# KiCad board panel.opm-inline.kicad_pcb (continued)
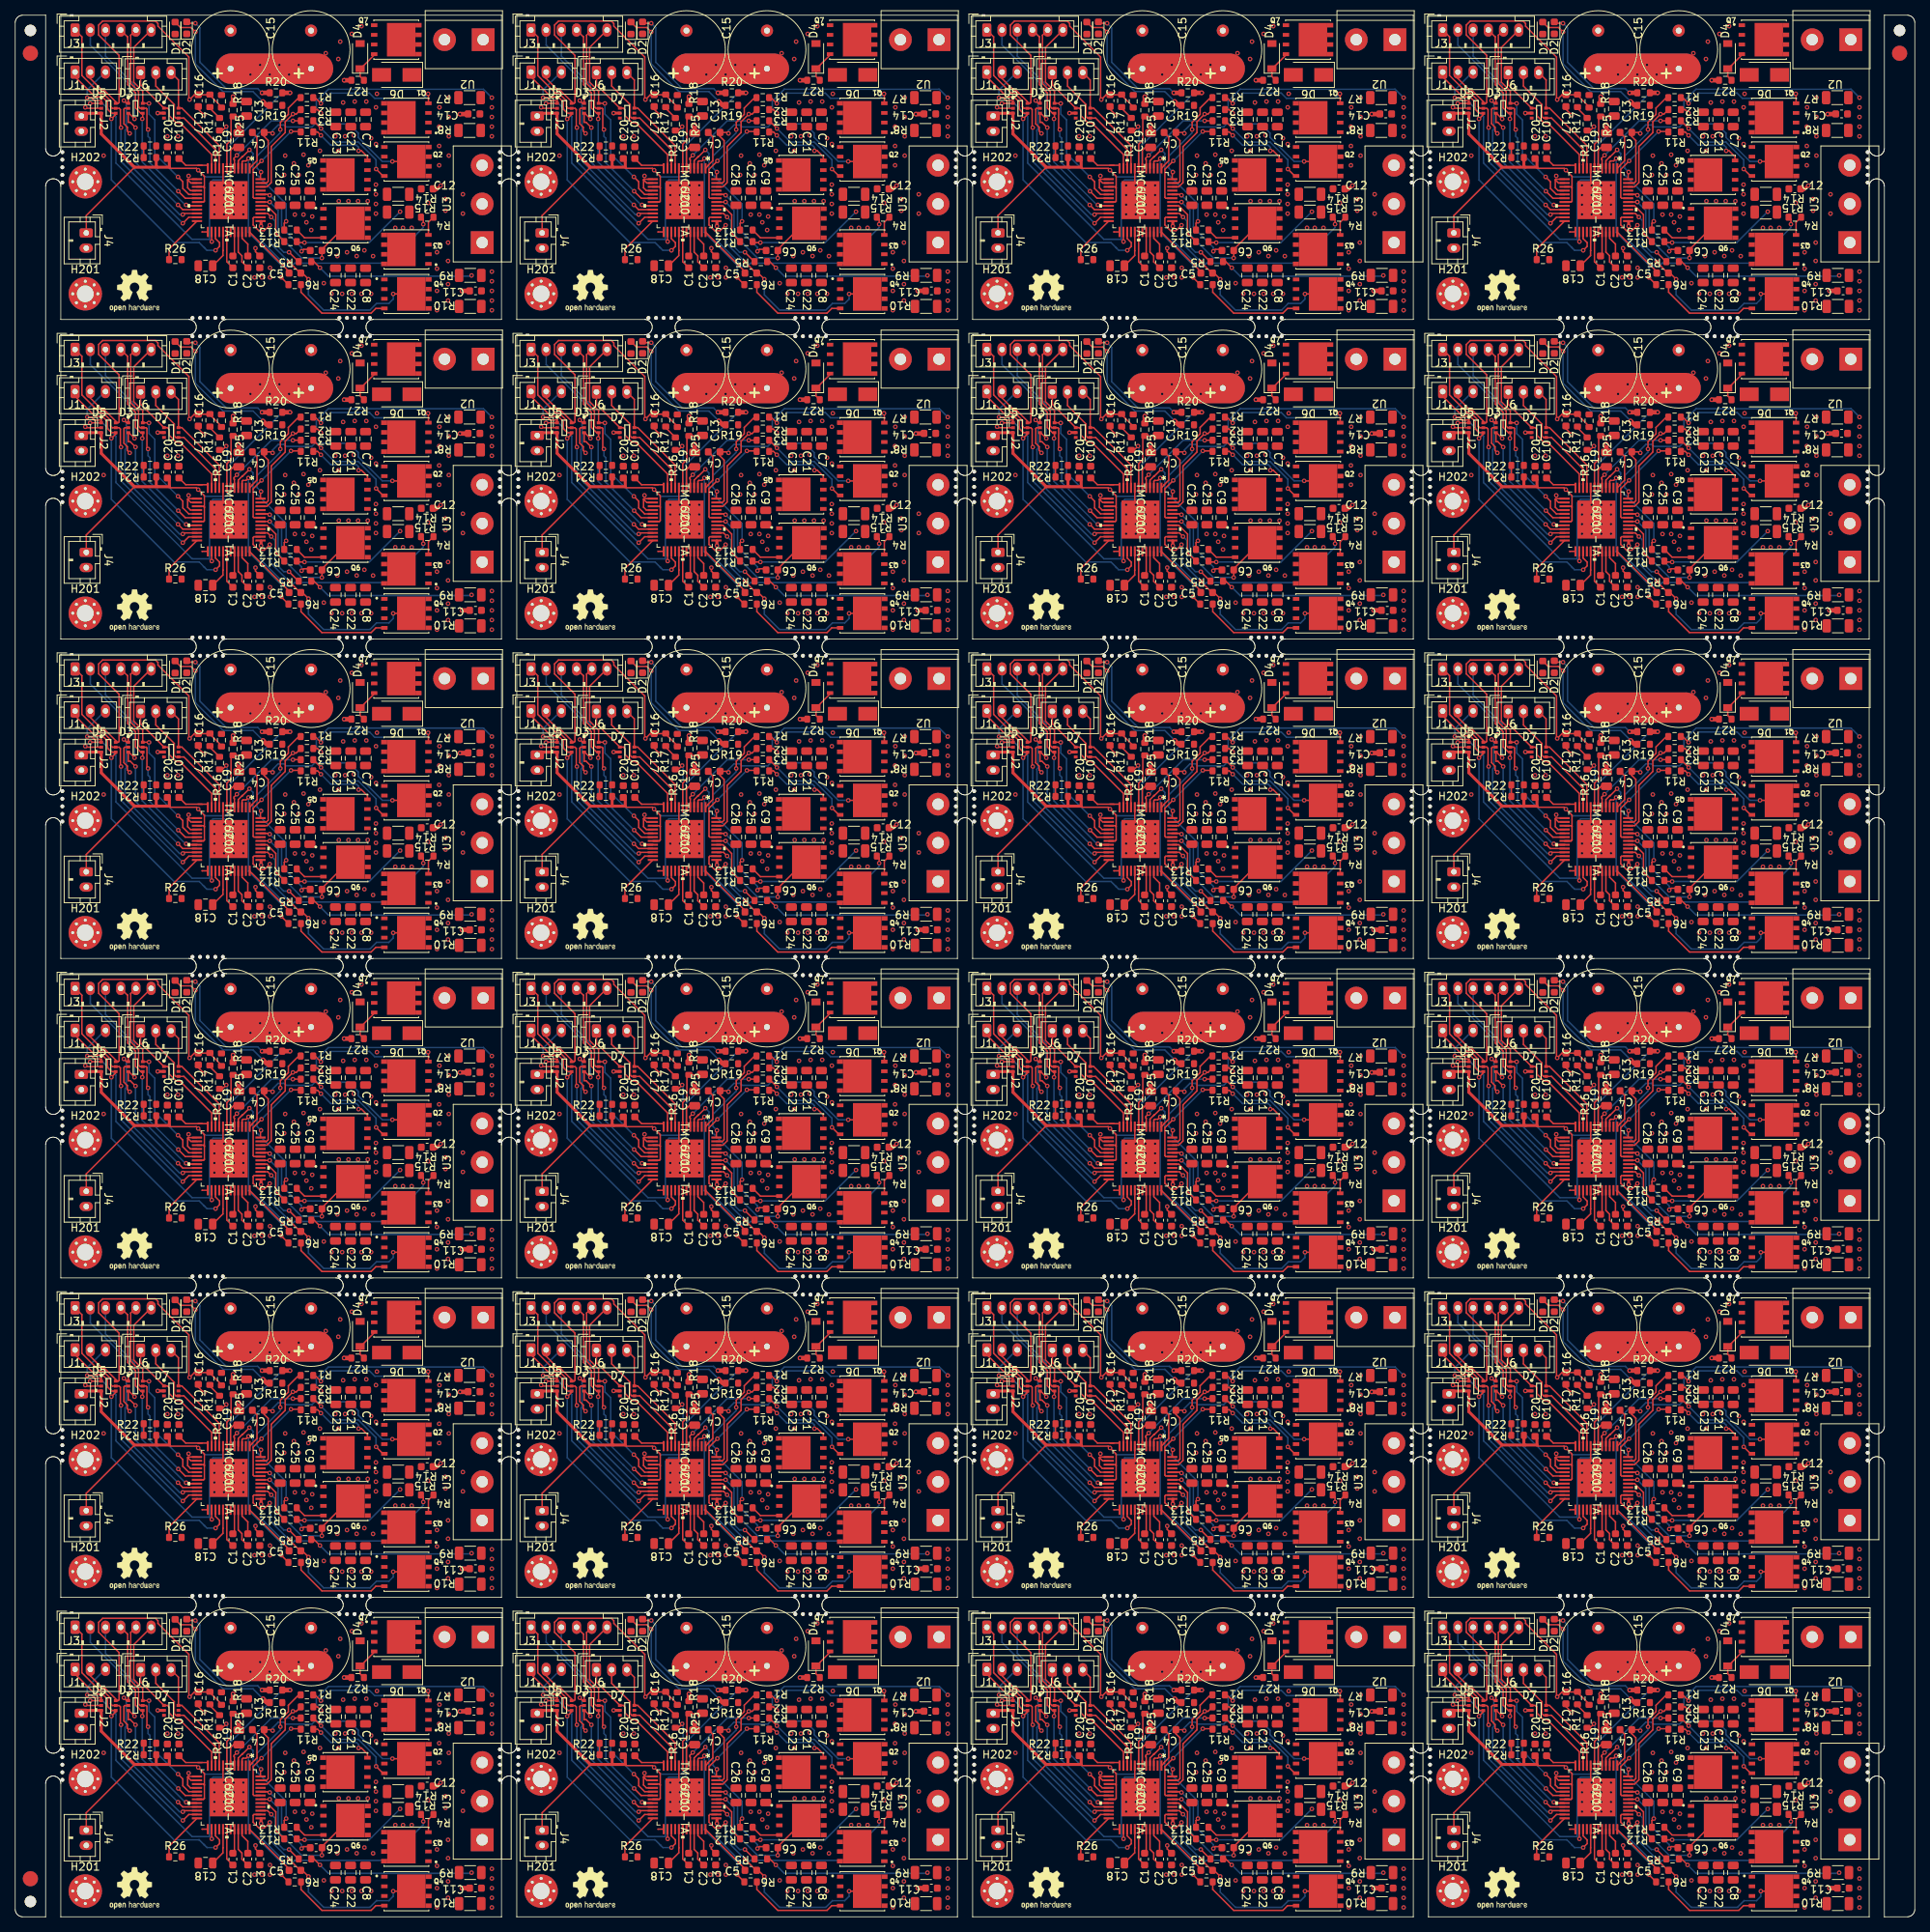
[diagram p0: board, top side]
## Routing (per net, layer and track width the routed paths; a pad name or vN(x,y) marks a point on that pad's centre or on a via; arc(x,y) is an arc through that point) (continued)
Board_15-Net-(C6-Pad2): length 12.4
  Top w0.2: v1(217.51,92.95) 217.77,93.21 218.64,93.21 ; v1(213.32,100.32) 213.22,100.43 IC1#9.44 212.96,100.43
  Bottom w0.2: v1(217.51,92.95) 217.51,93.46 214.88,96.09 214.88,98.76 v1(213.32,100.32)
Board_15-Net-(D1-Pad2): length 19.4
  Top w0.2: R19#10.1 212.94,112.13 ; D1.2 201.59,122.37 202.96,122.37 v1(203.54,121.78)
  Top w0.6: 212.94,112.13 v1(212.43,112.64)
  Bottom w0.2: v1(203.54,121.78) 203.54,117.59 207.19,113.94 211.13,113.94 v1(212.43,112.64)
Board_15-Net-(D2-Pad2): length 17.4
  Top w0.2: v1(203.54,122.92) 202.58,122.92 D2#3.2
  Top w0.6: R20#24.1 v1(212.31,113.78)
  Bottom w0.2: v1(203.54,122.92) 204.14,122.32 204.14,117.8 207.6,114.34 211.74,114.34 v1(212.31,113.78)
Board_15-Net-(D4-Pad1): length 4.4
  Top w0.2: 225.26,116.96 227.06,118.76 Q7#3.4 ; D4#16.1 225.21,115.93 R27#21.1
Board_15-Net-(IC1-Pad3): length 20.6
  Top w0.2: v1(210.53,105.14) 210.21,104.83 209.8,104.83 209.68,104.71 IC1#9.3 ; v1(214.85,89.52) 214.85,89.5 R6#22.2
  Bottom w0.2: v1(210.53,105.14) 210.53,95.44 214.85,91.12 v1(214.85,89.52)
Board_15-Net-(IC1-Pad4): length 16.7
  Top w0.2: 209.68,105.36 209.77,105.44 ; 209.68,105.36 209.18,104.86 IC1#9.4 209.18,104.67 ; 209.68,105.36 209.72,105.36 v1(210.66,106.29) ; v1(215.48,96.89) 215.23,96.64 R13#19.2
  Bottom w0.2: v1(215.48,96.89) 215.48,99.18 211.13,103.53 211.13,105.81 v1(210.66,106.29)
Board_15-Net-(IC1-Pad5): length 12.2
  Top w0.2: v1(209,105.57) 208.62,105.19 208.62,105.02 208.68,104.96 IC1#9.5 ; R3#6.2 216.38,110.11 v1(216.37,110.1)
  Bottom w0.2: v1(209,105.57) 213.53,110.1 v1(216.37,110.1)
Board_15-Net-(IC1-Pad24): length 6.6
  Top w0.2: R26#20.1 200.08,93.25 IC1#9.24
Board_15-Net-(IC1-Pad37): length 28.9
  Top w0.2: v1(233.52,96.51) 233.52,97.13 R4#3.2 ; 212.18,96.86 IC1#9.37
  Top w0.4: v1(212.18,96.25) 212.18,96.86
  Bottom w0.2: v1(233.52,96.51) 233.52,96.08 228.82,91.39 216.59,91.39 216.15,90.96 215.57,90.96 212.18,94.35 v1(212.18,96.25)
Board_15-Net-(IC1-Pad39): length 9.3
  Top w0.2: 217.13,91.79 216.9,91.79 v1(215.86,92.83) ; v1(213.52,97.45) 213.05,97.93 IC1#9.39
  Bottom w0.2: v1(213.52,97.45) 214.02,96.95 214.02,93.96 215.16,92.83 v1(215.86,92.83)
Board_15-Net-(IC1-Pad41): length 6.5
  Top w0.2: IC1#9.41 212.96,98.93 214.12,97.77 214.12,95.33 R12#16.2
Board_15-Net-(IC1-Pad43): length 13.1
  Top w0.2: IC1#9.43 211.26,99.93 211.14,100.05 211.14,103.72 v1(212.24,104.83) ; v1(216.12,108.7) 217.34,108.7 R11#4.2
  Bottom w0.2: v1(212.24,104.83) v1(216.12,108.7)
Board_15-Net-(IC1-Pad46): length 13.1
  Top w0.2: IC1#9.46 212.96,101.43 213.52,101.98 213.52,106.72 215.35,108.56 215.35,109.97 216.37,110.99 v1(216.37,110.99) 216.81,110.99 R2#11.2
Board_15-Net-(IC1-Pad48): length 13.8
  Top w0.2: R1#15.2 217.13,113.15 215.77,111.78 215.77,110.95 214.72,109.9 v1(214.72,108.95) ; v1(212.18,103.37) 212.11,103.3 IC1#9.48
  Bottom w0.2: v1(214.72,108.95) 214.72,108.53 211.64,105.45 211.64,103.9 v1(212.18,103.37) 212.18,103.62
Board_15-Net-(Q1-Pad4): length 17.8
  Top w0.2: Q1#11.4 234.19,113.61 v1(234.15,113.65) ; R1#15.1 219.29,113.15 v1(220.05,112.38)
  Bottom w0.2: v1(234.15,113.65) 233.55,113.05 227.13,113.05 226.44,113.75 221.42,113.75 v1(220.05,112.38)
Board_15-Net-(Q2-Pad4): length 13.2
  Top w0.2: v1(227.31,103.76) 228.22,102.85 Q2#16.4 ; 220.18,108.98 v1(220.06,109.09) R3#6.1
  Bottom w0.2: v1(227.31,103.76) 227.31,104.97 224.97,107.3 221.85,107.3 v1(220.06,109.09)
Board_15-Net-(Q3-Pad4): length 2.6
  Top w0.2: R4#3.1 234.19,96.77 Q3#24.4
Board_15-Net-(Q4-Pad4): length 13.5
  Top w0.2: Q4#12.4 227.27,85.44 226.66,84.82 220.18,84.82 217.43,87.57 R6#22.1 217.63,88.57
Board_15-Net-(Q5-Pad4): length 9.2
  Top w0.2: v1(220.05,108.19) 219.61,108.64 R11#4.1 ; Q5#9.4 226.17,105.38 225.39,106.16 v1(225.01,106.16)
  Bottom w0.2: v1(220.05,108.19) 221.35,106.9 224.73,106.9 225.01,106.61 v1(225.01,106.16)
Board_15-Net-(Q6-Pad4): length 3.9
  Top w0.2: R13#19.1 217.89,94.73 Q6#10.4
Board_15-Net-(R16-Pad2): length 2
  Top w0.2: R16#10.2 205.45,111.75 R17#21.1
Board_16-/+VM: length 61.7
  Top w0.2: IC1#2.33 29.33,50.85 29.82,50.37 29.82,49.57 C2#18.1
  Top w0.6: R25#14.2 v1(28.65,71.28)
  Top w4: 28.39,74.97 39.82,74.97
  In1.Cu w4: 28.65,74.97 38.45,74.97
  In2.Cu w4: 28.39,74.97 39.82,74.97 28.39,74.97
  Bottom w4: 28.39,74.97 39.82,74.97
  vias: v1(30.93,74.2) v1(31.46,47.53) v1(32.2,75.47) v1(32.43,47.53) v1(33.47,74.2) v1(33.5,48.8) v1(33.5,47.53) v1(34.74,75.47) v1(35.38,61) v1(35.5,63.54) v1(36.01,74.2) v1(36.65,62.52) v1(37.28,75.47) v1(37.28,61) v1(37.92,63.66) v1(38.55,62.27) v1(40.08,64.17) v1(40.84,77) v1(42.36,50.34) v1(42.49,76.24) v1(42.49,64.17) v1(42.74,78.52) v1(43.12,70.52) v1(43.63,50.84) v1(44.27,79.54) v1(44.65,70.65) v1(44.9,50.34) v1(45.54,80.55) v1(45.92,51.09) v1(46.17,70.65) v1(47.06,50.33) v1(47.44,69.89) v1(47.57,71.66) v1(49.98,54.05) v1(51,54.05) v1(52.14,54.05)
Board_16-/ADC_I_u: length 15.5
  Top w0.2: IC1#2.9 26.83,64.86 21.92,69.77 D7#22.6 21.47,73.48 J6#8.3
Board_16-/ADC_I_v: length 17.7
  Top w0.2: 26.27,62.35 26.33,62.29 IC1#2.10 26.33,64.33 22.18,68.47 D7#22.4 21.13,68.47 20.92,68.68 20.92,70.25 18.49,72.68 J6#8.2 18.99,73.95
Board_16-/ADC_I_w: length 17
  Top w0.2: IC1#2.11 25.83,63.68 21.66,67.85 21.18,67.85 20.26,68.77 20.26,69.53 20.02,69.77 D7#22.1 16.49,72.86 J6#8.1
Board_16-/Connectors/VOFS: length 1.8
  Top w0.2: R22#9.1 R21#10.2 ; 16.58,63.15 16.9,63.15
Board_16-/DRV_EN: length 38.5
  Top w0.2: v1(12.64,68.36) 13.21,68.93 D5.4 12.66,69.11 12.14,69.63 12.14,70.58 11.44,71.27 10.5,71.27 7.87,73.9 J1#10.1 ; v1(26.35,51.09) 26.87,51.61 26.87,52.1 26.33,52.63 IC1#2.27 26.33,53.09 26.35,53.07
  Bottom w0.2: 24.84,51.47 24.96,51.34 ; 24.84,51.47 24.2,52.11 20.88,52.11 12.64,60.34 v1(12.64,68.36) ; 24.84,51.47 25.22,51.09 v1(26.35,51.09)
Board_16-/FAULT: length 63.4
  Top w0.2: v1(9.85,70.39) 9.87,70.41 D5.1 11.31,70.72 ; 11.37,70.77 10.43,70.77 10.05,71.16 v1(9.47,71.16) ; v1(25.85,52.23) 25.83,52.25 IC1#2.26
  Top w0.6: R20#21.2 v1(36.14,71.79)
  Bottom w0.2: 13.15,68.74 12.93,68.96 ; 13.15,68.74 13.24,68.65 13.24,62.56 23.27,52.53 25.55,52.53 ; 13.15,68.74 11.5,70.39 v1(9.85,70.39) ; 25.55,52.53 v1(25.85,52.23) ; 25.55,52.53 25.55,59.87 26.02,60.34 28.05,60.34 28.28,60.58 28.28,64.95 35.12,71.79 v1(36.14,71.79) ; J1#10.3 11.81,74.52 9.47,72.17 v1(9.47,71.16)
Board_16-/Motor Driver/VOFS: length 4.7
  Top w0.2: 24.04,62.27 25.31,62.27 ; C10#10.1 22.42,62.27 24.58,62.27
Board_16-/TEMP_PCB: length 42.5
  Top w0.2: 13.21,77.16 13.2,77.17 ; 13.2,77.17 13.66,76.71 13.66,70.52 13.55,70.41 D5.6 13.21,70.63 11.78,72.07 11.48,72.07 9.87,73.67 J1#10.2 ; 13.2,77.17 10.97,79.4 10.97,80.69 11.5,81.22 18.45,81.22 18.77,80.9 18.77,80.56 22.84,76.49 22.84,70.99 v1(22.93,70.9) 23.57,71.54 C17#20.1 25.57,71.54 R17#6.2 25.6,71.47 27.12,69.95
Board_16-/U: length 27.2
  Top w0.2: R2#19.1 39.74,69.59 v1(40.2,69.12)
  Bottom w0.2: v1(62.68,71.16) 61.57,72.26 41.18,72.26 39.6,70.68 39.6,69.72 v1(40.2,69.12)
  vias: v1(62.68,69.89) v1(62.68,68.62) v1(62.68,67.35) v1(62.68,66.08)
Board_16-/UH: length 27.5
  Top w0.2: v1(21.41,60.74) 22.04,60.11 22.04,59.22 22.82,58.44 IC1#2.17 ; 17.87,79.69 J3#9.6 15.59,77.76 15.59,73.19 16.77,72.01 D3#12.6 17.58,70.41 v1(17.6,70.39)
  Bottom w0.2: v1(17.6,70.39) 17.6,69 18.36,68.24 18.36,63.79 v1(21.41,60.74)
Board_16-/UL: length 27.4
  Top w0.2: v1(17.47,66.96) 17.32,67.12 17.32,69.66 17.22,69.76 D3#12.5 16.43,69.76 16.22,69.97 16.22,71.97 16.07,72.11 16.07,72.14 15.19,73.02 15.19,79.36 J3#9.5 ; IC1#2.18 22.36,57.94 v1(21.44,58.86)
  Bottom w0.2: v1(17.47,66.96) 17.47,66.08 17.72,65.82 17.72,62.57 v1(21.44,58.86)
Board_16-/V: length 15.3
  Top w0.2: R12#17.1 37.15,52.11 v1(38.04,52.11)
  Bottom w0.2: v1(50.62,56.17) 46.55,52.11 v1(38.04,52.11)
  vias: v1(54.3,57.31) v1(56.59,57.82) v1(56.59,56.3) v1(58.87,58.46) v1(58.87,55.92)
Board_16-/VH: length 30.4
  Top w0.2: v1(22.48,57.06) 22.6,56.94 IC1#2.20 23.03,56.94 ; D3#12.4 16.51,69.11 15.82,69.8 15.82,71.79 15.42,72.19 15.42,72.23 14.79,72.86 14.79,79.16 14.76,79.16 J3#9.4 ; D3#12.4 16.57,69.11 ; D3#12.4 16.77,68.3
  Bottom w0.2: 16.71,68.23 16.71,62.7 22.48,56.94 22.29,56.94 22.29,57.05 ; 14.42,79.5 J3#9.4
  vias: v1(16.71,68.36)
Board_16-/VL: length 32.1
  Top w0.2: IC1#2.21 22.03,56.44 v1(21.41,57.06) ; v1(15.69,68.36) 14.94,69.11 D3#12.3 ; 14.93,69.05 D3#12.3 ; D3#12.3 14.87,67.91 15.12,67.91 v1(15.82,67.22)
  Bottom w0.2: v1(15.69,68.36) 15.69,72.81 11.87,76.63 J3#9.3 ; v1(21.41,57.06) 15.82,62.65 v1(15.82,67.22)
Board_16-/VSA: length 5
  Top w0.2: C18#2.1 27.32,50.41 27.32,51.05 27.33,51.06 IC1#2.29
Board_16-/W: length 21.9
  Top w0.2: 38.96,49.82 38.93,49.8 ; R5#12.1 39.28,49.6 v1(40.08,48.8)
  Bottom w0.2: v1(40.08,48.8) 41.18,47.7 59.92,47.7 v1(60.01,47.79)
  vias: v1(62.68,48.3) v1(62.68,47.03) v1(62.68,45.76) v1(62.68,44.49) v1(62.68,43.22)
Board_16-/WH: length 33.7
  Top w0.2: v1(14.29,70.77) 14.66,70.41 D3#12.1 ; IC1#2.22 22.19,55.94 v1(22.04,55.79) ; D3#12.1 14.8,70.47 ; D3#12.1 14.87,71.22 v1(15.06,71.41)
  Bottom w0.2: 14.91,62.5 21.62,55.79 v1(22.04,55.79) ; 14.91,62.5 14.46,62.95 14.46,66.87 14.59,67.01 14.59,70.47 v1(14.29,70.77) ; 14.91,62.5 14.8,62.6 ; 13.51,74.42 13.31,74.62 ; 13.31,74.62 9.87,78.06 J3#9.2 ; 13.31,74.62 14.71,73.22 ; 14.8,73.13 14.71,73.22 ; 14.71,73.22 15.06,72.88 v1(15.06,71.41)
Board_16-/WL: length 34.8
  Top w0.2: IC1#2.23 22.83,55.44 v1(22.04,54.65) ; v1(13.91,67.22) 13.83,67.3 13.83,69.59 13.66,69.76 D5.5 12.76,69.76 12.54,69.99 12.54,70.74 11.61,71.67 11.17,71.67 8.77,74.07 8.77,79.15 J3#9.1 7.89,80.05
  Bottom w0.2: v1(22.04,54.65) 13.91,62.77 v1(13.91,67.22) ; 7.87,79.5 J3#9.1
Board_16-GND: length 31.2
  Top w0.2: 59.54,69 C14#7.2 ; C17#20.2 24.07,69.63 v1(24.84,68.87) ; D5.2 9.34,69.76 v1(9.21,69.89) ; 24.58,53.5 24.59,53.51 IC1#2.25 25.33,53.4 ; 29.83,59.44 IC1#2.EPAD ; IC1#2.EPAD 27.33,58.44 IC1#2.8 ; IC1#2.EPAD 25.83,55.44 ; v1(15.06,66.46) 14.76,66.76 14.76,67.26 14.29,67.73 14.29,69.63 14.42,69.76 D3#12.2 ; C3#19.2 31.59,50.91 v1(31.59,51.37) ; 18.74,69.12 v1(18.74,69.12) ; IC1#2.13 22.75,60.44 22.68,60.36 ; IC1#2.14 23.1,59.94 22.68,60.36 ; 22.68,60.36 22.68,59.31 23.05,58.94 IC1#2.16
  Top w0.4: 54.95,59.09 55.44,59.09 v1(55.95,59.6) ; D7#22.2 18.74,69.12
  Top w0.6: v1(43.25,73.44) R27#9.2 ; v1(58.74,45.76) C11#11.2 ; v1(58.49,69) 59.54,69 ; C19#23.2 v1(29.41,67.6)
  vias: v1(11.63,63.54) v1(20.01,66.08) v1(21.41,66.08) v1(22.8,60.87) v1(26.19,59.63) v1(26.19,58.36) v1(26.19,57.09) v1(26.19,55.82) v1(27.46,59.63) v1(27.46,58.36) v1(27.46,57.09) v1(27.46,55.82) v1(28.73,59.63) v1(28.73,58.36) v1(28.73,57.09) v1(28.73,55.82) v1(30,59.63) v1(30,58.36) v1(30,57.09) v1(30,55.82) v1(36.77,55.79) v1(37.92,55.79) v1(38.3,54.77) v1(38.93,53.76) v1(39.06,55.53) v1(40.58,46.77) v1(41.6,45.37) v1(42.11,66.08) v1(43,45.37) v1(43.38,66.08) v1(44.27,45.37) v1(44.52,66.2) v1(45.54,45.37) v1(46.81,65.82) v1(46.81,45.37) v1(47.44,65.06)
Board_16-Net-(C1-Pad1): length 5
  Top w0.2: IC1#2.30 27.83,49.59 C1#14.1
Board_16-Net-(C1-Pad2): length 3.2
  Top w0.2: C1#14.2 28.83,50.56 IC1#2.32
Board_16-Net-(C2-Pad2): length 3.5
  Top w0.2: IC1#2.34 29.83,52.67 30.59,51.91 C2#18.2
Board_16-Net-(C4-Pad1): length 31
  Top w0.2: C4#8.1 32.74,66.11 ; C4#8.1 33.73,66.58 v1(33.85,66.46) ; C4#8.1 32.74,66.05 33.27,65.51 33.27,60.16 33.05,59.94 IC1#2.47 ; v1(49.6,62.77) 49.61,62.77 Q2#12.5
  Bottom w0.2: v1(33.85,66.46) 33.85,66.84 34.58,67.56 35.34,67.56 35.6,67.31 39.03,67.31 39.42,67.7 43.91,67.7 45.12,66.49 45.12,65.93 48.28,62.77 v1(49.6,62.77)
  vias: v1(55.79,69.89) v1(55.75,67.35) v1(55.75,64.81) v1(55.75,62.27) v1(57.02,71.16) v1(57.02,68.62) v1(57.02,66.08) v1(57.02,63.54)
Board_16-Net-(C4-Pad2): length 5.4
  Top w0.2: C4#8.2 31.79,65.98 31.79,62.87 31.19,62.27 31.19,62.22 IC1#2.1
Board_16-Net-(C5-Pad1): length 7.4
  Top w0.2: IC1#2.36 30.83,53.48 36.01,48.3
Board_16-Net-(C5-Pad2): length 31.7
  Top w0.2: v1(49.71,45.36) Q4#21.5 ; v1(38.56,47.29) 37.76,48.1 C5#2.2 ; v1(33.47,54.39) 32.74,53.66 32.04,53.66 31.29,54.42 31.29,55.32 31.41,55.44 IC1#2.38 ; 37.56,48.3 37.28,48.3 v1(36.01,49.57)
  Bottom w0.2: v1(33.47,54.39) 33.57,54.29 33.57,52.01 v1(36.01,49.57) ; v1(49.71,45.36) 49.71,44.67 49.14,44.1 47.51,44.1 46.64,43.23 40.56,43.23 38.56,45.23 v1(38.56,47.29)
  vias: v1(55.46,50.84) v1(55.46,48.68) v1(55.46,45.76) v1(55.46,43.22) v1(56.92,52.11) v1(56.92,49.69) v1(56.92,46.64) v1(56.92,44.49)
Board_16-Net-(C6-Pad1): length 19.3
  Top w0.2: v1(33.47,57.44) 33.47,57.44 IC1#2.42 ; Q6#11.5 43.77,54.65 40.34,51.22 40.34,50.09 v1(40.33,50.07)
  Bottom w0.2: v1(33.47,57.44) 34.57,56.34 34.57,53.17 37.66,50.07 v1(40.33,50.07)
  vias: v1(42.55,57.56) v1(43.82,57.56) v1(45.09,57.56) v1(46.36,57.56) v1(47.43,59.73) v1(47.43,58.46) v1(47.43,57.19) v1(47.43,55.92)
Board_16-Net-(C6-Pad2): length 12.4
  Top w0.2: v1(37.66,50.96) 37.92,51.22 38.79,51.22 ; v1(33.47,58.33) 33.36,58.44 IC1#2.44 33.11,58.44
  Bottom w0.2: v1(37.66,50.96) 37.66,51.47 35.03,54.1 35.03,56.77 v1(33.47,58.33)
Board_16-Net-(D1-Pad2): length 19.4
  Top w0.2: R19#4.1 33.09,70.14 ; D1#6.2 21.74,80.38 23.11,80.38 v1(23.69,79.79)
  Top w0.6: 33.09,70.14 v1(32.58,70.65)
  Bottom w0.2: v1(23.69,79.79) 23.69,75.6 27.34,71.95 31.28,71.95 v1(32.58,70.65)
Board_16-Net-(D2-Pad2): length 17.4
  Top w0.2: v1(23.69,80.93) 22.73,80.93 D2.2
  Top w0.6: R20#21.1 v1(32.46,71.79)
  Bottom w0.2: v1(23.69,80.93) 24.29,80.33 24.29,75.81 27.75,72.35 31.89,72.35 v1(32.46,71.79)
Board_16-Net-(D4-Pad1): length 4.4
  Top w0.2: 45.41,74.97 47.21,76.77 Q7#15.4 ; D4#6.1 45.36,73.94 R27#9.1
Board_16-Net-(IC1-Pad3): length 20.6
  Top w0.2: v1(30.68,63.15) 30.36,62.84 29.95,62.84 29.83,62.72 IC1#2.3 ; v1(35,47.53) 35,47.51 R6#16.2
  Bottom w0.2: v1(30.68,63.15) 30.68,53.45 35,49.13 v1(35,47.53)
Board_16-Net-(IC1-Pad4): length 16.7
  Top w0.2: 29.83,63.37 29.92,63.45 ; 29.83,63.37 29.33,62.87 IC1#2.4 29.33,62.68 ; 29.83,63.37 29.87,63.37 v1(30.8,64.3) ; v1(35.63,54.9) 35.38,54.65 R13#14.2
  Bottom w0.2: v1(35.63,54.9) 35.63,57.19 31.28,61.54 31.28,63.82 v1(30.8,64.3)
Board_16-Net-(IC1-Pad5): length 12.2
  Top w0.2: v1(29.15,63.58) 28.77,63.2 28.77,63.03 28.83,62.97 IC1#2.5 ; R3#14.2 36.53,68.12 v1(36.52,68.11)
  Bottom w0.2: v1(29.15,63.58) 33.68,68.11 v1(36.52,68.11)
Board_16-Net-(IC1-Pad24): length 6.6
  Top w0.2: R26#2.1 20.23,51.26 IC1#2.24
Board_16-Net-(IC1-Pad37): length 28.9
  Top w0.2: v1(53.66,54.52) 53.66,55.14 R4#17.2 ; 32.33,54.87 IC1#2.37
  Top w0.4: v1(32.33,54.26) 32.33,54.87
  Bottom w0.2: v1(53.66,54.52) 53.66,54.09 48.97,49.4 36.74,49.4 36.3,48.97 35.72,48.97 32.33,52.36 v1(32.33,54.26)
Board_16-Net-(IC1-Pad39): length 9.3
  Top w0.2: 37.28,49.8 37.05,49.8 v1(36.01,50.84) ; v1(33.67,55.46) 33.2,55.94 IC1#2.39
  Bottom w0.2: v1(33.67,55.46) 34.17,54.96 34.17,51.97 35.31,50.84 v1(36.01,50.84)
Board_16-Net-(IC1-Pad41): length 6.5
  Top w0.2: IC1#2.41 33.11,56.94 34.27,55.78 34.27,53.34 R12#17.2
Board_16-Net-(IC1-Pad43): length 13.1
  Top w0.2: IC1#2.43 31.41,57.94 31.29,58.06 31.29,61.73 v1(32.39,62.84) ; v1(36.27,66.71) 37.49,66.71 R11#8.2
  Bottom w0.2: v1(32.39,62.84) v1(36.27,66.71)
Board_16-Net-(IC1-Pad46): length 13.1
  Top w0.2: IC1#2.46 33.11,59.44 33.67,59.99 33.67,64.73 35.5,66.57 35.5,67.98 36.52,69 v1(36.52,69) 36.96,69 R2#19.2
Board_16-Net-(IC1-Pad48): length 13.8
  Top w0.2: R1#20.2 37.28,71.16 35.92,69.79 35.92,68.96 34.87,67.91 v1(34.87,66.96) ; v1(32.33,61.38) 32.26,61.31 IC1#2.48
  Bottom w0.2: v1(34.87,66.96) 34.87,66.54 31.79,63.46 31.79,61.91 v1(32.33,61.38) 32.33,61.63
Board_16-Net-(Q1-Pad4): length 17.8
  Top w0.2: Q1#12.4 54.34,71.62 v1(54.3,71.66) ; R1#20.1 39.44,71.16 v1(40.2,70.39)
  Bottom w0.2: v1(54.3,71.66) 53.7,71.06 47.28,71.06 46.59,71.76 41.56,71.76 v1(40.2,70.39)
Board_16-Net-(Q2-Pad4): length 13.2
  Top w0.2: v1(47.46,61.77) 48.37,60.86 Q2#12.4 ; 40.33,66.99 v1(40.21,67.1) R3#14.1
  Bottom w0.2: v1(47.46,61.77) 47.46,62.98 45.12,65.31 42,65.31 v1(40.21,67.1)
Board_16-Net-(Q3-Pad4): length 2.6
  Top w0.2: R4#17.1 54.34,54.78 Q3#9.4
Board_16-Net-(Q4-Pad4): length 13.5
  Top w0.2: Q4#21.4 47.42,43.45 46.81,42.83 40.33,42.83 37.58,45.58 R6#16.1 37.78,46.58
Board_16-Net-(Q5-Pad4): length 9.2
  Top w0.2: v1(40.2,66.2) 39.76,66.65 R11#8.1 ; Q5#11.4 46.32,63.39 45.54,64.17 v1(45.16,64.17)
  Bottom w0.2: v1(40.2,66.2) 41.5,64.91 44.88,64.91 45.16,64.62 v1(45.16,64.17)
Board_16-Net-(Q6-Pad4): length 3.9
  Top w0.2: R13#14.1 38.04,52.74 Q6#11.4
Board_16-Net-(R16-Pad2): length 2
  Top w0.2: R16#8.2 25.6,69.76 R17#6.1
Board_17-/+VM: length 61.7
  Top w0.2: IC1#21.33 89.28,50.85 89.77,50.37 89.77,49.57 C2#24.1
  Top w0.6: R25#3.2 v1(88.6,71.28)
  Top w4: 88.34,74.97 99.77,74.97
  In1.Cu w4: 88.6,74.97 98.4,74.97
  In2.Cu w4: 88.34,74.97 99.77,74.97 88.34,74.97
  Bottom w4: 88.34,74.97 99.77,74.97
  vias: v1(90.88,74.2) v1(91.41,47.53) v1(92.15,75.47) v1(92.38,47.53) v1(93.42,74.2) v1(93.45,48.8) v1(93.45,47.53) v1(94.69,75.47) v1(95.33,61) v1(95.45,63.54) v1(95.96,74.2) v1(96.6,62.52) v1(97.23,75.47) v1(97.23,61) v1(97.87,63.66) v1(98.5,62.27) v1(100.03,64.17) v1(100.79,77) v1(102.31,50.34) v1(102.44,76.24) v1(102.44,64.17) v1(102.69,78.52) v1(103.07,70.52) v1(103.58,50.84) v1(104.22,79.54) v1(104.6,70.65) v1(104.85,50.34) v1(105.49,80.55) v1(105.87,51.09) v1(106.12,70.65) v1(107.01,50.33) v1(107.39,69.89) v1(107.52,71.66) v1(109.93,54.05) v1(110.95,54.05) v1(112.09,54.05)
Board_17-/ADC_I_u: length 15.5
  Top w0.2: IC1#21.9 86.78,64.86 81.87,69.77 D7#24.6 81.42,73.48 J6#4.3
Board_17-/ADC_I_v: length 17.7
  Top w0.2: 86.22,62.35 86.28,62.29 IC1#21.10 86.28,64.33 82.13,68.47 D7#24.4 81.08,68.47 80.87,68.68 80.87,70.25 78.44,72.68 J6#4.2 78.94,73.95
Board_17-/ADC_I_w: length 17
  Top w0.2: IC1#21.11 85.78,63.68 81.61,67.85 81.13,67.85 80.21,68.77 80.21,69.53 79.97,69.77 D7#24.1 76.44,72.86 J6#4.1
Board_17-/Connectors/VOFS: length 1.8
  Top w0.2: R22#6.1 R21.2 ; 76.53,63.15 76.85,63.15
Board_17-/DRV_EN: length 38.5
  Top w0.2: v1(72.59,68.36) 73.16,68.93 D5#14.4 72.61,69.11 72.09,69.63 72.09,70.58 71.39,71.27 70.45,71.27 67.82,73.9 J1#23.1 ; v1(86.3,51.09) 86.82,51.61 86.82,52.1 86.28,52.63 IC1#21.27 86.28,53.09 86.3,53.07
  Bottom w0.2: 84.79,51.47 84.91,51.34 ; 84.79,51.47 84.15,52.11 80.83,52.11 72.59,60.34 v1(72.59,68.36) ; 84.79,51.47 85.17,51.09 v1(86.3,51.09)
Board_17-/FAULT: length 63.4
  Top w0.2: v1(69.8,70.39) 69.82,70.41 D5#14.1 71.26,70.72 ; 71.32,70.77 70.38,70.77 70,71.16 v1(69.42,71.16) ; v1(85.8,52.23) 85.78,52.25 IC1#21.26
  Top w0.6: R20#18.2 v1(96.09,71.79)
  Bottom w0.2: 73.1,68.74 72.88,68.96 ; 73.1,68.74 73.19,68.65 73.19,62.56 83.22,52.53 85.5,52.53 ; 73.1,68.74 71.45,70.39 v1(69.8,70.39) ; 85.5,52.53 v1(85.8,52.23) ; 85.5,52.53 85.5,59.87 85.97,60.34 88,60.34 88.23,60.58 88.23,64.95 R20#18.2 v1(96.09,71.79) ; J1#23.3 71.76,74.52 69.42,72.17 v1(69.42,71.16)
Board_17-/Motor Driver/VOFS: length 4.7
  Top w0.2: 83.99,62.27 85.26,62.27 ; C10#2.1 82.37,62.27 84.53,62.27
Board_17-/TEMP_PCB: length 42.5
  Top w0.2: 73.16,77.16 73.15,77.17 ; 73.15,77.17 73.61,76.71 73.61,70.52 73.5,70.41 D5#14.6 73.16,70.63 71.73,72.07 71.43,72.07 69.82,73.67 J1#23.2 ; 73.15,77.17 70.92,79.4 70.92,80.69 71.45,81.22 78.4,81.22 78.72,80.9 78.72,80.56 82.79,76.49 82.79,70.99 v1(82.88,70.9) 83.52,71.54 C17#16.1 85.52,71.54 R17#11.2 85.55,71.47 87.07,69.95
Board_17-/U: length 27.2
  Top w0.2: R2#18.1 99.69,69.59 v1(100.15,69.12)
  Bottom w0.2: v1(122.63,71.16) 121.52,72.26 101.14,72.26 99.55,70.68 99.55,69.72 v1(100.15,69.12)
  vias: v1(122.63,69.89) v1(122.63,68.62) v1(122.63,67.35) v1(122.63,66.08)
Board_17-/UH: length 27.5
  Top w0.2: v1(81.36,60.74) 81.99,60.11 81.99,59.22 82.77,58.44 IC1#21.17 ; 77.82,79.69 J3#18.6 75.54,77.76 75.54,73.19 76.72,72.01 D3#2.6 77.53,70.41 v1(77.55,70.39)
  Bottom w0.2: v1(77.55,70.39) 77.55,69 78.31,68.24 78.31,63.79 v1(81.36,60.74)
Board_17-/UL: length 27.4
  Top w0.2: v1(77.42,66.96) 77.27,67.12 77.27,69.66 77.17,69.76 D3#2.5 76.38,69.76 76.17,69.97 76.17,71.97 76.02,72.11 76.02,72.14 75.14,73.02 75.14,79.36 J3#18.5 ; IC1#21.18 82.31,57.94 v1(81.39,58.86)
  Bottom w0.2: v1(77.42,66.96) 77.42,66.08 77.67,65.82 77.67,62.57 v1(81.39,58.86)
Board_17-/V: length 15.3
  Top w0.2: R12#4.1 97.1,52.11 v1(97.99,52.11)
  Bottom w0.2: v1(110.57,56.17) 106.5,52.11 v1(97.99,52.11)
  vias: v1(114.25,57.31) v1(116.54,57.82) v1(116.54,56.3) v1(118.82,58.46) v1(118.82,55.92)
Board_17-/VH: length 30.4
  Top w0.2: v1(82.43,57.06) 82.55,56.94 IC1#21.20 82.98,56.94 ; D3#2.4 76.46,69.11 75.77,69.8 75.77,71.79 75.37,72.19 75.37,72.23 74.74,72.86 74.74,79.16 74.71,79.16 J3#18.4 ; D3#2.4 76.52,69.11 ; D3#2.4 76.72,68.3
  Bottom w0.2: 76.66,68.23 76.66,62.7 82.43,56.94 82.24,56.94 82.24,57.05 ; 74.37,79.5 J3#18.4
  vias: v1(76.66,68.36)
Board_17-/VL: length 32.1
  Top w0.2: IC1#21.21 81.98,56.44 v1(81.36,57.06) ; v1(75.64,68.36) 74.9,69.11 D3#2.3 ; 74.88,69.05 D3#2.3 ; D3#2.3 74.82,67.91 75.07,67.91 v1(75.77,67.22)
  Bottom w0.2: v1(75.64,68.36) 75.64,72.81 71.82,76.63 J3#18.3 ; v1(81.36,57.06) 75.77,62.65 v1(75.77,67.22)
Board_17-/VSA: length 5
  Top w0.2: C18#12.1 87.27,50.41 87.27,51.05 87.28,51.06 IC1#21.29
Board_17-/W: length 21.9
  Top w0.2: 98.91,49.82 98.88,49.8 ; R5#19.1 99.23,49.6 v1(100.03,48.8)
  Bottom w0.2: v1(100.03,48.8) 101.13,47.7 119.87,47.7 v1(119.97,47.79)
  vias: v1(122.63,48.3) v1(122.63,47.03) v1(122.63,45.76) v1(122.63,44.49) v1(122.63,43.22)
Board_17-/WH: length 33.7
  Top w0.2: v1(74.25,70.77) 74.61,70.41 D3#2.1 ; IC1#21.22 82.14,55.94 v1(81.99,55.79) ; D3#2.1 74.75,70.47 ; D3#2.1 74.82,71.22 v1(75.01,71.41)
  Bottom w0.2: 74.86,62.5 81.57,55.79 v1(81.99,55.79) ; 74.86,62.5 74.41,62.95 74.41,66.87 74.55,67.01 74.55,70.47 v1(74.25,70.77) ; 74.86,62.5 74.75,62.6 ; 73.46,74.42 73.26,74.62 ; 73.26,74.62 69.82,78.06 J3#18.2 ; 73.26,74.62 74.66,73.22 ; 74.75,73.13 74.66,73.22 ; 74.66,73.22 75.01,72.88 v1(75.01,71.41)
Board_17-/WL: length 34.8
  Top w0.2: IC1#21.23 82.78,55.44 v1(81.99,54.65) ; v1(73.86,67.22) 73.78,67.3 73.78,69.59 73.61,69.76 D5#14.5 72.71,69.76 72.49,69.99 72.49,70.74 71.56,71.67 71.12,71.67 68.72,74.07 68.72,79.15 J3#18.1 67.84,80.05
  Bottom w0.2: v1(81.99,54.65) 73.86,62.77 v1(73.86,67.22) ; 67.82,79.5 J3#18.1
Board_17-GND: length 31.2
  Top w0.2: 119.49,69 C14#11.2 ; C17#16.2 84.02,69.63 v1(84.79,68.87) ; D5#14.2 69.29,69.76 v1(69.17,69.89) ; 84.53,53.5 84.54,53.51 IC1#21.25 85.28,53.4 ; 89.78,59.44 IC1#21.EPAD ; IC1#21.EPAD 87.28,58.44 IC1#21.8 ; IC1#21.EPAD 85.78,55.44 ; v1(75.01,66.46) 74.71,66.76 74.71,67.26 74.25,67.73 74.25,69.63 74.37,69.76 D3#2.2 ; C3#3.2 91.54,50.91 v1(91.54,51.37) ; IC1#21.13 82.7,60.44 82.63,60.36 ; IC1#21.14 83.05,59.94 82.63,60.36 ; 82.63,60.36 82.63,59.31 83,58.94 IC1#21.16
  Top w0.4: 114.9,59.09 115.39,59.09 v1(115.9,59.6) ; D7#24.2 v1(78.69,69.12)
  Top w0.6: v1(103.2,73.44) R27.2 ; v1(118.7,45.76) C11.2 ; v1(118.44,69) 119.49,69 ; C19#9.2 v1(89.36,67.6)
  vias: v1(71.58,63.54) v1(79.96,66.08) v1(81.36,66.08) v1(82.75,60.87) v1(86.14,59.63) v1(86.14,58.36) v1(86.14,57.09) v1(86.14,55.82) v1(87.41,59.63) v1(87.41,58.36) v1(87.41,57.09) v1(87.41,55.82) v1(88.68,59.63) v1(88.68,58.36) v1(88.68,57.09) v1(88.68,55.82) v1(89.95,59.63) v1(89.95,58.36) v1(89.95,57.09) v1(89.95,55.82) v1(96.72,55.79) v1(97.87,55.79) v1(98.25,54.77) v1(98.88,53.76) v1(99.01,55.53) v1(100.53,46.77) v1(101.55,45.37) v1(102.06,66.08) v1(102.95,45.37) v1(103.33,66.08) v1(104.22,45.37) v1(104.47,66.2) v1(105.49,45.37) v1(106.76,65.82) v1(106.76,45.37) v1(107.39,65.06)
Board_17-Net-(C1-Pad1): length 5
  Top w0.2: IC1#21.30 87.78,49.59 C1#12.1
Board_17-Net-(C1-Pad2): length 3.2
  Top w0.2: C1#12.2 88.78,50.56 IC1#21.32
Board_17-Net-(C2-Pad2): length 3.5
  Top w0.2: IC1#21.34 89.78,52.67 90.54,51.91 C2#24.2
Board_17-Net-(C4-Pad1): length 31
  Top w0.2: C4#13.1 92.69,66.11 ; C4#13.1 93.68,66.58 v1(93.8,66.46) ; C4#13.1 92.69,66.05 93.22,65.51 93.22,60.16 93,59.94 IC1#21.47 ; v1(109.55,62.77) 109.56,62.77 Q2#21.5
  Bottom w0.2: v1(93.8,66.46) 93.8,66.84 94.53,67.56 95.29,67.56 95.55,67.31 98.98,67.31 99.37,67.7 103.86,67.7 105.07,66.49 105.07,65.93 108.23,62.77 v1(109.55,62.77)
  vias: v1(115.7,67.35) v1(115.7,64.81) v1(115.7,62.27) v1(115.74,69.89) v1(116.97,71.16) v1(116.97,68.62) v1(116.97,66.08) v1(116.97,63.54)
Board_17-Net-(C4-Pad2): length 5.4
  Top w0.2: C4#13.2 91.74,65.98 91.74,62.87 91.14,62.27 91.14,62.22 IC1#21.1
Board_17-Net-(C5-Pad1): length 7.4
  Top w0.2: IC1#21.36 90.78,53.48 95.96,48.3
Board_17-Net-(C5-Pad2): length 31.7
  Top w0.2: v1(109.66,45.36) Q4#10.5 ; v1(98.52,47.29) 97.71,48.1 C5#20.2 ; v1(93.42,54.39) 92.7,53.66 91.99,53.66 91.24,54.42 91.24,55.32 91.36,55.44 IC1#21.38 ; 97.51,48.3 97.23,48.3 v1(95.96,49.57)
  Bottom w0.2: v1(93.42,54.39) 93.52,54.29 93.52,52.01 v1(95.96,49.57) ; v1(109.66,45.36) 109.66,44.67 109.09,44.1 107.46,44.1 106.59,43.23 100.51,43.23 98.52,45.23 v1(98.52,47.29)
  vias: v1(115.41,50.84) v1(115.41,48.68) v1(115.41,45.76) v1(115.41,43.22) v1(116.87,52.11) v1(116.87,49.69) v1(116.87,46.64) v1(116.87,44.49)
Board_17-Net-(C6-Pad1): length 19.3
  Top w0.2: v1(93.42,57.44) 93.42,57.44 IC1#21.42 ; Q6#22.5 103.72,54.65 100.29,51.22 100.29,50.09 v1(100.28,50.07)